# KiCad board Soldered Inkplate 4 TEMPERA with glass panel.kicad_pcb (continued)
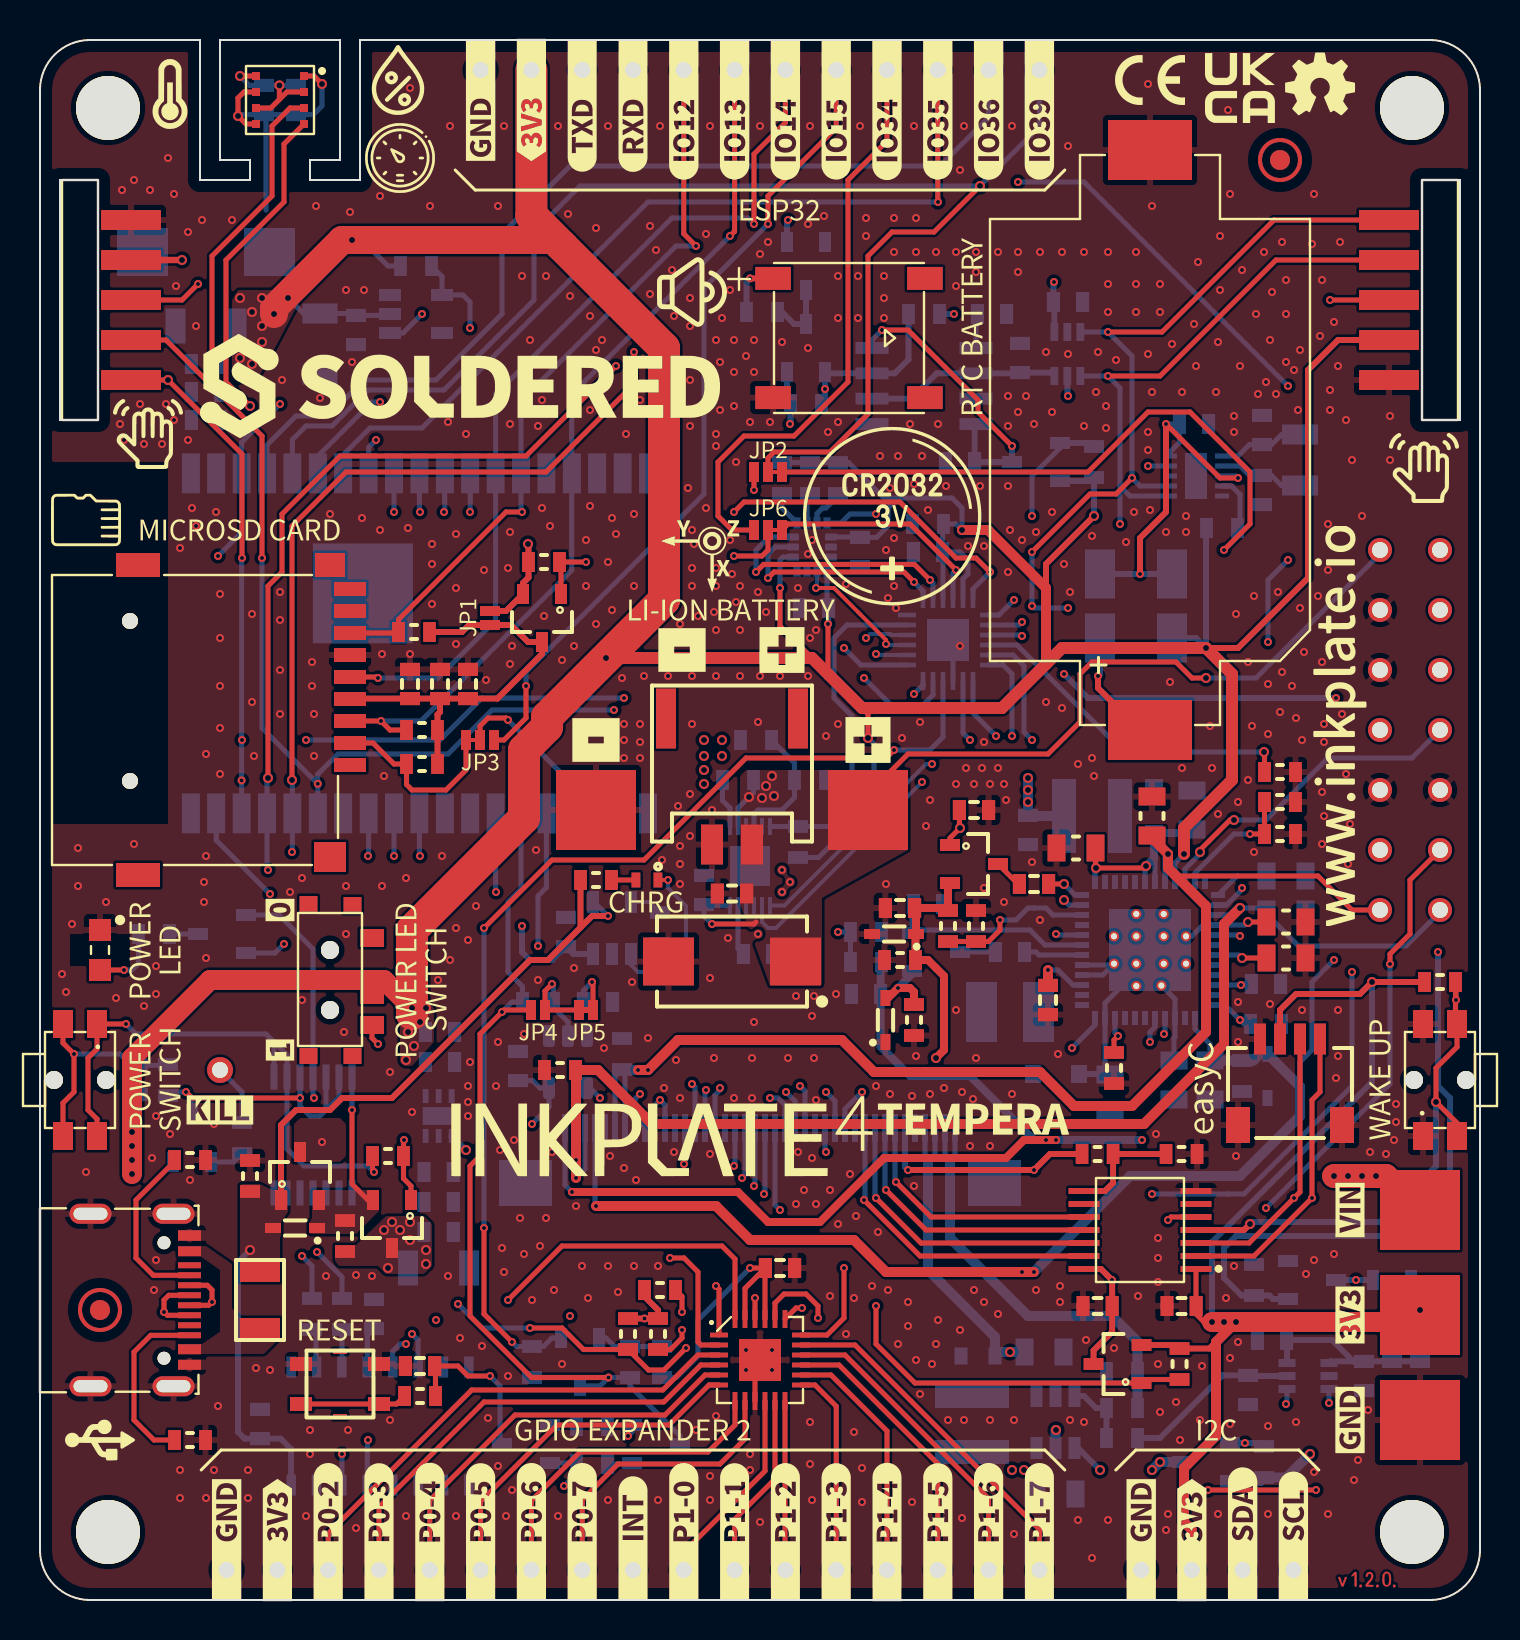
[diagram p0: board, top side]
## Routing (per net, layer and track width the routed paths; a pad name or vN(x,y) marks a point on that pad's centre or on a via; arc(x,y) is an arc through that point) (continued)
/POWER/VN: length 19
  Top w0.254: 61.32,33.9 v2(60.4,33.9)
  Bottom w0.254: U1.28 53.13,31.25 U1.49 53.63,31.75 U1.29 ; 53.47,26.3 53.5,26.28 53.25,26.53 U1.23 53.25,29.85 54.1,30.7 U1.49 ; U1.49 57.59,33.19 58.15,33.75 U1.4 60.25,33.75 v2(60.4,33.9) ; C8.2 56.7,28.1 56.75,28.15 U1.16 56.75,30.04 U1.49
  Bottom w0.3: D1.2 53.47,26.3
/POWER/VREF: length 2.8
  Bottom w0.254: U1.1 59.85,36.2 61.32,36.2
/SD & RTC/X1: length 4.3
  Bottom w0.254: X1.1 62.09,58.28 61.58,57.77 C36.2 60.47,57.77 59.9,57.2 U8.1
/SD & RTC/X2: length 4.3
  Bottom w0.254: U8.2 60,56.7 60.47,56.23 C37.2 61.57,56.23 62.07,55.72 X1.2
BACKLIGHT_EN: length 68.7
  In1.Cu w0.3: v1(64.8,45.1) 67.8,45.1 68.5,44.4 68.5,33.8 v1(69.9,32.4)
  In2.Cu w0.3: v1(51.2,46.3) 44.7,46.3 v1(43.7,45.3)
  Bottom w0.254: v1(43.7,45.3) 44.15,45.75 U13.12
  Bottom w0.3: v1(64.8,45.1) 52.4,45.1 v1(51.2,46.3) ; Q10.1 61.65,15.05 61.47,15.22 R51.2 60.07,15.22 59.2,16.1 59.2,17.6 59.8,18.2 67.3,18.2 70.5,21.4 70.5,25.1 69.9,25.7 v1(69.9,32.4)
BCK_ANODE: length 22.7
  In1.Cu w0.5: v2(50.8,8.5) 48.5,10.8 v2(48.5,12.4)
  Bottom w0.254: K12.4 44.25,22.05 44.4,21.9 44.75,22.25 K12.3
  Bottom w0.5: v2(50.8,8.5) 50.78,8.47 U12.5 ; v2(48.5,12.4) C50.2 47.95,12.4 D13.2 47.75,13.15 44.4,16.5 44.4,21.9
BCK_CATHODE: length 22.3
  Bottom w0.254: K12.2 45.25,22.15 45.5,21.9 45.75,22.15 K12.1
  Bottom w0.5: R49.1 R48.2 54.88,12.92 53.6,14.2 49.4,14.2 45.5,18.1 45.5,21.9
BCK_MOS: length 14.1
  In1.Cu w0.3: v1(65.8,16) 60.25,10.45 v1(60.25,7.85)
  Bottom w0.3: Q10.3 v1(65.8,16) Q9.1 ; Q12.1 61.03,7.85 R53.1
BUZZER_EN: length 20.5
  In1.Cu w0.254: v1(41.8,47.3) 41.8,51.2 44.8,54.2 v1(49.6,54.2)
  Bottom w0.2: U13.14 41.85,47.25
  Bottom w0.254: v1(49.6,54.2) 49.6,56.2 51,57.6 Q13.1 ; v1(41.8,47.3) 41.85,47.25
  Bottom w0.3: Q13.1 52.53,57.85 R60.2
CLKOUT_RTC: length 22.2
  Top w0.254: v1(35.7,55.5) JP2.1
  In1.Cu w0.254: v1(55.4,56.7) 36.9,56.7 v1(35.7,55.5)
  Bottom w0.254: U8.9 v1(55.4,56.7)
D+: length 17.8
  Top w0.254: K2.B6 6.36,14.24 v1(6.2,14.4) 6.2,15 6.44,15.24 K2.A6
  In1.Cu w0.254: v1(6.2,14.4) 7.9,14.4 9.67,12.64 18.13,12.64 v1(18.3,12.8)
  Bottom w0.254: v1(18.3,12.8) 18,12.8 17.64,12.44 U6.5
D-: length 15.5
  Top w0.254: K2.B7 8.36,15.74 8.6,15.5 v1(8.6,14.9) 8.44,14.74 K2.A7
  In1.Cu w0.254: v1(8.6,14.9) 10.2,13.3 v1(18.6,13.3)
  Bottom w0.254: v1(18.6,13.3) 18.91,13 U6.6
EPD_CKV: length 48
  In1.Cu w0.254: v1(16.8,58) 20.7,58 22.8,55.9 22.8,43.8 39.3,27.3 v1(39.3,25.4)
  Bottom w0.254: v1(39.3,25.4) 39.75,24.95 K12.13 ; U14.8 16.43,57.63 v1(16.8,58)
EPD_CL: length 8.4
  In1.Cu w0.254: v1(32.2,21.8) 31.04,21.8 28,24.84 v1(28,25.1)
  Bottom w0.254: v1(32.2,21.8) 32.25,21.85 K12.28 ; U11.4 27.5,25.6 v1(28,25.1)
EPD_D0: length 25.8
  In1.Cu w0.254: v1(22.8,35.4) 22.8,31.4 30,24.2 30.9,24.2 33.4,21.7 v1(34.7,21.7)
  Bottom w0.254: K12.23 34.75,21.75 v1(34.7,21.7) ; U14.26 22.78,35.42 v1(22.8,35.4)
EPD_D1: length 29.8
  In1.Cu w0.254: v1(19,37.2) 19,34.3 24.9,28.4 24.9,27.4 31.2,21.1 v1(35.1,21.1)
  Bottom w0.254: U14.29 18.97,37.23 v1(19,37.2) ; v1(35.1,21.1) 35.25,21.25 K12.22
EPD_D2: length 32
  In1.Cu w0.254: v1(35.7,20.7) 35.4,20.4 31.3,20.4 17.7,34 v1(17.7,37.2)
  Bottom w0.254: v1(35.7,20.7) 35.75,20.75 K12.21 ; U14.30 v1(17.7,37.2)
EPD_D3: length 35
  In1.Cu w0.254: v1(36.2,20.3) 35.6,19.7 30,19.7 16.4,33.3 v1(16.4,37.2)
  Bottom w0.254: U14.31 16.43,37.23 v1(16.4,37.2) ; K12.20 36.25,20.35 v1(36.2,20.3)
EPD_D4: length 44.9
  In1.Cu w0.254: v1(37,19.5) 36,18.5 23.7,18.5 11.5,30.7 v1(11.5,35.3)
  Bottom w0.254: v1(37,19.5) 36.75,19.75 K12.19 ; U14.37 8.81,37.99 v1(11.5,35.3)
EPD_D5: length 40.5
  In1.Cu w0.254: v1(19,54.4) 19,42.6 v1(36.5,25.1)
  Bottom w0.254: U14.10 18.97,54.43 v1(19,54.4) ; v1(36.5,25.1) 36.9,25.1 37.25,24.75 K12.18
EPD_D6: length 40
  In1.Cu w0.254: v1(20.2,54.4) 20.2,43.5 37.3,26.4 v1(37.3,25.4)
  Bottom w0.254: v1(37.3,25.4) 37.75,24.95 K12.17 ; v1(20.2,54.4) 20.24,54.44 U14.11
EPD_D7: length 39.7
  In1.Cu w0.254: v1(38,25.7) 38,27.3 21.5,43.8 v1(21.5,54.4)
  Bottom w0.254: K12.16 38.25,25.45 v1(38,25.7) ; v1(21.5,54.4) 21.51,54.41 U14.12
EPD_GMODE: length 34.1
  In1.Cu w0.254: v1(39.3,22.4) 40.5,23.6 40.5,41.4 48,48.9 v1(49.1,48.9)
  Bottom w0.254: U13.2 48.95,48.75 v1(49.1,48.9) ; v1(39.3,22.4) 39.25,22.45 K12.14
EPD_LE: length 19.6
  In1.Cu w0.254: v1(24.9,32.7) 31.8,25.8 v1(32.6,25.8)
  Bottom w0.254: U14.24 25.32,35.62 24.9,35.2 v1(24.9,32.7) ; v1(32.6,25.8) 32.75,25.65 K12.27
EPD_OE: length 41.2
  In1.Cu w0.254: v1(33.3,25.5) 33.3,24.9 33.9,24.3 39.1,24.3 39.9,25.1 39.9,27.9 39.3,28.5 39.3,42.1 47.2,50 v1(48.7,50)
  Bottom w0.254: U13.1 47.95,49.25 v1(48.7,50) ; v1(33.3,25.5) 33.25,25.45 K12.26
EPD_SPH: length 39.6
  In1.Cu w0.254: v1(34,25.6) 17.7,41.9 v1(17.7,54.4)
  Bottom w0.254: U14.9 v1(17.7,54.4) ; v1(34,25.6) 34,25.5 33.75,25.25 K12.25
EPD_SPV: length 29.9
  In1.Cu w0.254: v1(41.1,25.4) 41.1,40.2 v1(49.1,48.2)
  Bottom w0.254: v1(49.1,48.2) 49.05,48.25 U13.3 ; v1(41.1,25.4) 40.25,24.55 K12.12
GPIO15: length 40.9
  Top w0.254: v1(36.4,68.8) 36.4,70.2 39.81,73.61 K32.1 ; v1(24.3,45.7) 24.3,44.1 23.2,43 JP3.3
  Bottom w0.254: v1(36.4,68.8) 33.2,65.6 33.2,55.3 24.3,46.4 v1(24.3,45.7)
GPIO_0: length 43.8
  Top w0.254: JP4.1 23.2,29.5 22,28.3 22,22.2 21.5,21.7 21.5,14.2 24.57,11.12 v1(28.43,11.12)
  Bottom w0.254: Q3.3 32,8.2 29.5,10.7 R22.1 v1(28.43,11.12) 28,10.7 Q1.3 ; v1(23.1,29.4) 23.6,29.9 R45.1 24.12,30.67 23.4,31.4 23.4,34.9 24.05,35.55 U14.25
GPIO_0_MOSFET: length 53.7
  Top w0.254: v1(42.7,42.5) 42.3,42.1 35.3,42.1 30.2,37 25.6,37 v1(22.2,33.6) ; v1(23.6,12.9) 22.2,14.3 v1(22.2,18.6)
  Bottom w0.254: Q1.1 25.6,13.1 25.18,12.67 R20.2 23.82,12.67 v1(23.6,12.9) ; v1(22.2,33.6) v1(22.2,18.6) ; v1(42.7,42.5) 44.5,42.5 45.15,43.15 U13.10
GPIO_36: length 137
  Top w0.254: v1(70.8,30) 70.8,30.88 R41.1 70.78,28.88 SW3.2 70.85,27.65 69.8,26.6 v2(69.8,24.9) 70.85,23.85 SW3.2
  Top w0.3: v2(60.5,18.8) 60.2,18.5 U10.4
  In1.Cu w0.254: v1(70.8,30) 65.7,30 63.6,32.1 63.6,45.7 v1(61.4,47.9) ; v1(48.9,70.9) 47.43,72.37 K25.1 ; v1(62.4,60.7) v1(62.4,52)
  Bottom w0.254: v1(48.9,70.9) 52.2,70.9 v1(62.4,60.7) ; v1(61.4,47.9) 61.4,51 v1(62.4,52) ; K25.1 47.43,74.13 45,71.7 26.5,71.7 23.1,68.3 23.1,64.3 19.8,61 16.2,61 14.4,59.2 12.8,59.2 11.35,57.75 U14.4
  Bottom w0.3: v2(69.8,24.9) 69.8,21.7 67,18.9 60.6,18.9 v2(60.5,18.8)
GPIO_39: length 71.9
  Top w0.254: JP2.2 36.4,57.1 36.7,57.4 39.5,57.4 41.4,59.3 41.4,67.2 42.6,68.4 44.7,68.4 v2(47,70.7)
  Bottom w0.254: U14.5 12.62,58.02 13.3,58.7 14.6,58.7 16.4,60.5 20.2,60.5 24.7,65 24.7,68.4 27,70.7 v2(47,70.7) 49.97,73.67 K24.1
GPOUT_FG: length 17.2
  Bottom w0.254: U5.12 R26.2 39.47,38.67 40.6,39.8 40.6,44.2 39.7,45.1 39.7,48.1 40.35,48.75 U13.17
I2C_SCL: length 323.3
  Top w0.254: U15.19 37.8,14.6 v1(38.1,14.6) ; v1(36.4,51.1) 36.7,51.4 43.2,51.4 v1(43.7,50.9) ; v1(54.6,56.1) 53.8,55.3 52.5,55.3 v1(49.6,52.4) ; K42.1 v2(6.4,61) 10.1,57.3 v1(10.1,52.1) ; v1(32.1,13.5) 32.1,13.1 31.53,12.53 R1.1 ; v1(53.4,63.4) 56.1,63.4 61.7,69 K43.1 ; v2(10.5,59.7) 9.3,60.9 9.3,67 12.2,69.9 12.2,72.8 U19.4 ; U10.2 60.7,17.2 v1(63.6,20.1) 63.6,25 64,25.4 K4.1 ; v1(58.4,5.5) v1(63.8,5.5)
  In1.Cu w0.254: v1(49.6,49.7) 49.9,49.4 49.9,48 44.1,42.2 v1(44.1,40.9) ; v1(58.4,5.5) 45,5.5 42.1,8.4 42.1,13.2 40.7,14.6 v1(38.1,14.6) 37.98,14.48 33.08,14.48 v1(32.1,13.5) ; v1(26.5,14.2) 20.6,14.2 19.6,15.2 13.67,15.2 10.4,18.47 10.4,27.5 8.9,29 8.9,37.4 10.08,38.58 v1(10.08,40.98) ; v1(13.3,43) v1(10.1,43) ; v2(6.4,61) 9.2,61 v2(10.5,59.7) ; v1(51.4,49.6) 55.7,49.6 57,50.9 68.6,50.9 K1.6 ; v1(49.6,52.4) 49.3,52.1 44.4,52.1 43.7,51.4 v1(43.7,50.9) 43.7,47.9 40.9,45.1 v1(29.2,45.1) ; v1(56.2,28.3) 56.2,27.5 67.3,16.4 67.3,12.7 v1(64.45,9.85) 64.45,6.15 62.67,4.37 K6.1
  In2.Cu w0.254: v1(26.5,14.2) 27.2,13.5 v1(32.1,13.5)
  Bottom w0.2: 36.1,34.72 36.1,33.9 36.4,33.6 36.8,33.6 v1(44.1,40.9)
  Bottom w0.254: U8.7 55,55.7 v1(54.6,56.1) 54.6,62.2 v1(53.4,63.4) U16.3 ; U1.17 56.25,28.35 v1(56.2,28.3) ; U17.13 36.75,52.65 36.4,52.3 v1(36.4,51.1) ; v1(51.4,49.6) 49.7,49.6 v1(49.6,49.7) v1(49.6,52.4) ; U9.3 v1(64.45,9.85) ; v1(13.3,43) 20,43 22.1,45.1 v1(29.2,45.1) ; U14.36 v1(10.08,40.98) 10.08,52.08 v1(10.1,52.1) ; v1(43.7,50.9) 44.15,50.45 U13.19
I2C_SCL_B: length 15.8
  Top w0.254: v1(41.2,20) 44,17.2 U10.13
  Bottom w0.254: K12.10 41.25,20.05 v1(41.2,20)
I2C_SDA: length 316.9
  Top w0.254: U15.20 36.75,14.85 37.2,15.3 38.3,15.3 38.9,14.7 v1(38.9,14.1) ; v1(32.3,12.6) 31.2,11.5 30.43,11.5 R2.1 27.18,12.53 26.1,13.6 v1(24.5,13.6) ; v1(53.4,61.2) 56,61.2 61.8,67 K43.2 ; K42.2 6.3,63 11.1,58.2 v1(11.1,52.1) ; 8.6,60.7 8.6,67.2 11.6,70.2 11.6,73.7 12.5,74.6 U19.3 ; K4.2 63,20.4 v1(62.7,20.1) 60.45,17.85 U10.3 ; v1(35.8,51.4) 36.18,51.78 43.72,51.78 v1(44.5,51)
  In1.Cu w0.254: 51.05,50.85 v1(54,53.8) ; 51.05,50.85 50.5,50.3 50.5,47.8 ; 51.05,50.85 51,50.8 44.7,50.8 v1(44.5,51) ; 60.7,4.9 44.9,4.9 41.6,8.2 41.6,12.8 40.3,14.1 33.8,14.1 v1(32.3,12.6) ; 60.7,4.9 62.3,6.5 v1(62.3,9.8) 66.5,14 66.5,16.3 55.5,27.3 v1(55.5,27.9) ; 60.7,4.9 60.13,4.33 K7.1 ; v1(20.9,14.8) 20,15.7 13.88,15.7 11.2,18.38 11.2,27.8 9.6,29.4 9.6,36.6 13.81,40.81 v1(13.89,40.81) ; 50.5,47.8 51.4,48.7 63.3,48.7 64,48 68.5,48 K1.5 ; 50.5,47.8 44.6,41.9 v1(44.6,41.8) ; 47,50.8 47,50.5 41,44.5 v1(28.7,44.5)
  Bottom w0.2: 36.5,34.72 37.22,34.72 44.3,41.8 v1(44.6,41.8)
  Bottom w0.254: U9.4 62.35,9.85 v1(62.3,9.8) ; v1(24.5,13.6) 22.1,13.6 v1(20.9,14.8) ; v1(13.89,40.81) 13.89,41.29 14.9,42.3 20.4,42.3 22.6,44.5 v1(28.7,44.5) ; v1(13.89,40.81) U14.33 ; v1(13.89,40.81) 11.1,43.6 v1(11.1,52.1) ; 54,55.7 54.5,55.2 U8.6 ; 54,55.7 v1(54,53.8) ; 54,55.7 54,60.6 v1(53.4,61.2) U16.4 ; v1(35.8,51.4) 35.8,52.5 36.45,53.15 U17.14 ; U1.18 55.75,28.65 55.5,28.4 v1(55.5,27.9) ; v1(44.5,51) 44.65,50.85 U13.20
I2C_SDA_B: length 14.9
  Top w0.254: v1(41.8,20.1) 44.05,17.85 U10.12
  Bottom w0.254: v1(41.8,20.1) 41.75,20.15 K12.9
INT: length 21.9
  In1.Cu w0.254: v1(47.8,43.2) 48.6,44 53.4,44 60.1,37.3 v1(60.1,35.6)
  Bottom w0.254: v1(47.8,43.2) 46.65,44.35 U13.7 ; U1.2 59.33,34.75 60.1,35.52 v1(60.1,35.6)
INT1_LSM: length 11.2
  In1.Cu w0.254: v1(41.8,54.3) 41.8,51.9 41.3,51.4 v1(41.3,48.1)
  Bottom w0.2: U13.16 42.55,48.25 42.5,48.3 41.5,48.3 v1(41.3,48.1)
  Bottom w0.254: v1(41.8,54.3) 40.5,54.3 40.05,53.85 U17.4
INT2_LSM: length 6.7
  Top w0.2: v1(42.3,47.8) 42.3,48 39.7,50.6 v1(38.8,50.6)
  Bottom w0.2: U17.9 38.85,50.65 v1(38.8,50.6) ; v1(42.3,47.8) 42.35,47.75 U13.15
INT_APDS: length 86.7
  Top w0.254: K42.3 7.1,65 v1(7.9,65.8) ; v1(64.5,65) K43.3
  In1.Cu w0.254: v1(41.2,46.1) 40.8,46.5 40.8,54.2 40.9,54.3 ; 40.9,54.3 40.4,53.8 36.6,53.8 34,56.4 32,56.4 22,66.4 15.1,66.4 14.5,65.8 v1(7.9,65.8) ; 40.9,54.3 41.6,55 54.5,55 v1(64.5,65)
  Bottom w0.254: U13.11 44.65,45.25 44.1,44.7 42.6,44.7 v1(41.2,46.1)
MANUAL_RST: length 83.8
  Top w0.254: R32.2 19.78,11.66 C34.2 20.9,11.7 21.4,11.2 v1(22.5,11.2)
  In1.Cu w0.254: v1(21.5,63.6) 19.2,63.6 6.53,50.93 6.53,26.07 6.7,25.9 6.7,25 8.6,23.1 8.6,17.2 11.8,14 18.7,14 21.5,11.2 v1(22.5,11.2)
  Bottom w0.254: v1(21.5,63.6) 21.5,64.9 21.15,65.25 U4.4 20.1,66.17 19.57,66.7 ; v1(22.5,11.2) 23,10.7 23,7.9 Q2.3
OUT: length 18.8
  In1.Cu w0.3: v1(37.4,69) 39.25,67.15 v1(39.25,60.55)
  Bottom w0.3: R61.1 39.25,59.97 Q14.1 39.31,61.33 U18.3 42.74,61.33 43.43,62.03 R59.2 ; v1(37.4,69) 37.35,68.95 Q15.1
POT_A: length 9.7
  Bottom w0.3: U16.6 50.55,61.37 C62.2 48.97,61.33 U18.6 44.84,61.33 43.56,60.06 U18.2
POT_W: length 9.1
  In1.Cu w0.3: v1(51.4,60.2) 50.1,60.2 46,64.3 v1(45.7,64.3)
  Bottom w0.3: R59.1 v1(45.7,64.3) ; v1(51.4,60.2) 51.37,60.23 U16.5
PWR_GOOD: length 23.7
  In1.Cu w0.254: v1(51.6,27.6) 45.2,34 45.2,41.7 v1(46.5,43)
  Bottom w0.254: U13.8 46.15,43.35 v1(46.5,43) ; v1(51.6,27.6) 52.75,28.75 U1.24
PWRUP: length 24.3
  Top w0.254: R5.1 53.7,28 v1(53.9,28.2)
  In1.Cu w0.254: v1(53.9,28.2) 52,30.1 52,40.6 v1(49.6,43)
  Bottom w0.254: v1(53.9,28.2) 53.75,28.35 U1.22 ; v1(49.6,43) 49.2,43.4 49.2,46.7 48.65,47.25 U13.5
RST: length 123.6
  Top w0.254: v1(23.4,15) 26.1,17.7 34.1,17.7 34.75,17.05 U15.24 ; v1(34.7,54.4) 35.2,54.9 43,54.9 45.8,52.1 46.8,52.1 v1(47.5,51.4)
  In1.Cu w0.254: v1(12,59.8) 16.5,64.3 v1(19.1,64.3) 21.8,64.3 32,54.1 34.4,54.1 v1(34.7,54.4) ; v1(19.8,14) 19.2,14.6 12.4,14.6 9.5,17.5 9.5,24 7.5,26 7.5,50.8 v1(8.9,52.2)
  In2.Cu w0.254: v1(19.8,14) 22.4,14 v1(23.4,15)
  Bottom w0.254: U4.1 18.15,63.35 v1(19.1,64.3) ; U13.24 46.65,50.55 v1(47.5,51.4) ; v1(8.9,52.2) 10.08,53.38 U14.3 10.08,57.88 v1(12,59.8)
RXD: length 77.5
  Top w0.254: v2(12.6,41) 12.6,53.7 15.3,56.4 25.3,56.4 29.7,60.8 v1(29.7,62.4)
  In1.Cu w0.254: v1(13.1,17.2) 11.7,18.6 11.7,28.5 10.3,29.9 10.3,36.4 11.3,37.4 v1(12.6,37.4) ; v1(29.7,62.4) 29.65,62.45 K18.1
  Bottom w0.254: v2(12.6,41) 12.62,40.98 U14.34 12.62,37.42 v1(12.6,37.4) ; v1(13.1,17.2) 13.6,16.7 R35.2
SD_ENABLE: length 21.1
  Top w0.254: Q8.1 26.05,51.83 R39.2 v1(27.3,51.9)
  In1.Cu w0.254: v1(40.2,47.6) 31.6,47.6 v1(27.3,51.9)
  Bottom w0.254: U13.13 41.05,46.75 v1(40.2,47.6)
SPI_CS: length 8.3
  Top w0.254: v1(23.4,44) 23.3,44.1 22.4,44.1 22,43.7 JP3.2
  Bottom w0.254: U14.23 26.59,40.81 v1(23.4,44)
SPI_MISO: length 38.1
  Top w0.254: K20.1 32.19,68.31 v1(32.8,67.7) ; v1(24.1,54.4) 23.3,54.4 17.92,49.03 R44.1 17.88,48.35 K10.7
  Bottom w0.254: v1(24.1,54.4) 24.05,54.45 U14.14 24.05,59.95 31.8,67.7 v1(32.8,67.7)
SPI_MOSI: length 44.1
  Top w0.254: K10.3 v1(17.05,43.95) 17.5,43.5 R43.1 ; K21.1 34.73,68.43 v1(34.5,68.2)
  Bottom w0.254: v1(17.05,43.95) 19.05,43.95 26.59,51.49 U14.16 26.59,60.29 v1(34.5,68.2)
SPI_SCK: length 44.8
  Top w0.254: K10.5 16.85,46.15 v1(16.9,46.1) ; v1(35.7,68.8) 35.7,72.3 37.27,73.87 K19.1
  Bottom w0.254: v1(16.9,46.1) 19.9,46.1 22.78,48.98 U14.13 22.78,60.28 31.6,69.1 35.4,69.1 v1(35.7,68.8)
SW_IN: length 6.5
  Top w0.254: v1(15.6,24.5) 15.6,20.8 16.4,20 16.45,20
  Bottom w0.254: U7.14 v1(15.6,24.5)
SW_OUT_D: length 20.1
  Top w0.254: v1(18.2,23) 18.18,22.97 R36.2 18.18,21.08 18.55,20.7 Q6.1
  In1.Cu w0.254: v1(18.2,23) 16.1,25.1 v1(13.7,25.1)
  Bottom w0.254: v1(13.7,25.1) 13.65,25.15 U7.11 13.65,32.55 11.95,34.25 Q4.1
TOUCH_EN: length 28.9
  Top w0.254: U15.1 33.95,15.55 v1(33.8,15.7) ; v1(41.8,14.7) 41.8,12.8 43.75,10.85 Q11.1 55.25,11.03 R52.2
  In1.Cu w0.254: v1(41.8,14.7) 40.8,15.7 v1(33.8,15.7)
TOUCH_INT_B: length 13.8
  Top w0.254: v1(42.3,20.5) 44.3,18.5 U10.11
  Bottom w0.254: K12.8 42.25,20.55 v1(42.3,20.5)
TOUCH_RESET: length 33.5
  Top w0.254: U15.2 33.05,12.75 32.9,12.9 32.9,16.4 32.2,17.1 v1(31.5,17.1) ; v1(56.4,19) 56.55,19.15 U10.5
  In1.Cu w0.254: v1(31.5,17.1) 32.1,17.7 44,17.7 45.3,19 v1(56.4,19)
TOUCH_RESET_B: length 12.9
  Top w0.254: U10.10 44.55,19.15 v1(42.8,20.9)
  Bottom w0.254: v1(42.8,20.9) 42.75,20.95 K12.7
TXD: length 76.8
  Top w0.254: v1(28.8,61.7) 24.3,57.2 15,57.2 12.1,54.3 12.1,51.4 11.4,50.7 v2(11.4,41.1)
  In1.Cu w0.254: v1(13.85,17.4) 12.3,18.95 12.3,29 10.9,30.4 10.9,36 v1(11.4,36.5) ; K16.1 27.11,72.39 28.8,70.7 v1(28.8,61.7)
  Bottom w0.254: v1(11.4,36.5) 11.35,36.55 U14.35 11.35,41.05 v2(11.4,41.1) ; R34.2 15.1,16.15 v1(13.85,17.4)
VCOM: length 73.8
  Top w0.5: v1(27.8,19.7) 33.8,19.7 35.5,18 40.7,18 42.3,16.4 v1(49.7,16.4)
  In1.Cu w0.254: K1.11 65.7,43.5 64.7,42.5 v1(64.7,32)
  Bottom w0.254: v1(27.8,19.7) 27.75,19.75 K12.37 ; v1(64.7,32) 63.6,30.9 63.6,27.5 63,26.9 63,25.67 ; U1.14 57.75,28.55 58.5,27.8 C7.2
  Bottom w0.5: v1(49.1,16.4) v1(49.7,16.4) 54.5,21.2 60,21.2 63,24.2 63,25.67 D4.1 61,27.3 60.68,26.97 R9.2 C7.2
VCOM_CTRL: length 28.4
  In1.Cu w0.254: v1(60,29) 59.2,29.8 59.2,37.4 53.1,43.5 48.9,43.5 v1(48.6,43.2)
  Bottom w0.254: v1(48.6,43.2) 48.6,46.3 48.15,46.75 U13.6 ; U1.12 59.25,29.75 60.2,28.8 R4.1
VNEG: length 65.1
  Top w0.5: v2(60,34.6) 59.2,33.8 59.2,27.8 55.2,23.8 30.6,23.8 27.9,26.5 R6.1 26.8,26.47 v1(26.8,22) v1(26.8,21.1)
  Bottom w0.254: v1(26.8,22) 26.75,22.05 K12.39 ; 59.8,34.6 v2(60,34.6) ; 59.8,34.6 61.03,34.6 62.92,32.7 68.3,32.7 70,34.4 K1.1 ; 59.8,34.6 59.45,34.25 U1.3 ; v1(26.8,21.1) 27.25,21.55 K12.38
VPOS: length 62.7
  Top w0.254: K1.14 65.6,34.5 63.9,36.2 56.8,36.2 56.75,36.25
  Top w0.5: 55.5,38.2 v2(56.4,37.3) 56.4,36.6 58.3,34.7 58.3,28.4 54.6,24.7 51.7,24.7 50,26.4 41.7,26.4 40.1,28 31.9,28 v1(30.4,26.5) v1(29.9,26.5)
  Bottom w0.254: v2(56.4,37.3) 56.25,37.15 U1.44 ; K12.35 28.75,26.17 R7.1 29.25,26.38 K12.34
  Bottom w0.5: v1(30.4,26.5) 29.12,26.5 R7.1
VSYS: length 36.4
  In2.Cu w1.2: v1(14.1,22.9) 15.7,22.9 20.5,27.7 20.5,30.1 v1(24.1,33.7) 33,42.6
  Bottom w0.254: U5.7 34.5,39.6 34.12,39.97 R24.1
  Bottom w0.3: U2.3 26.67,32.3 C67.2 26.27,32.67 25.6,32 24.5,32 24.1,32.4 v1(24.1,33.7)
  vias: v2(33.2,43) v2(33.2,42.2) v2(33.2,41.5) v2(33.2,40.8) v2(34.1,43) v2(34.1,42.2)
VUSB: length 42
  Top w0.3: Q7.1 12.05,23.75 12.8,24.5 14.5,24.5 15.1,25.1 17.6,25.1 24.5,32 25.4,32 27.03,33.62 ; v1(28.4,34.2) 27.6,34.2 27.03,33.62 ; 27.03,33.62 R19.1
  Bottom w0.254: v1(28.4,34.2) 27.7,34.9 U2.4
  Bottom w0.3: U6.16 12.56,7.54 12.03,8.07 C32.2 10.23,8.07 9.9,8.4 9.9,16.9 v2(10.5,17.5)
WAKEUP: length 28.5
  Top w0.254: v2(61.2,42.4) 61.22,42.38 R3.1
  In1.Cu w0.254: v1(60,33.2) 60.7,33.2 61.6,34.1 61.6,42 v2(61.2,42.4)
  Bottom w0.254: U1.5 59.95,33.25 v1(60,33.2) ; U13.4 48.85,47.75 54.2,42.4 v2(61.2,42.4)
Net-(C16-Pad1): length 1.8
  Bottom w0.254: C16.1 D6.3
Net-(C17-Pad2): length 1.5
  Top w0.254: C17.2 48.9,35.8 D7.3
Net-(C28-Pad1): length 2.5
  Bottom w0.254: 34.9,34.72 34.9,32.57 C28.1
Net-(C33-Pad2): length 2.1
  Bottom w0.254: U6.4 16.36,13.23 C33.2
Net-(C35-Pad2): length 11
  Top w0.254: SW2.2 1.15,24.85 1.7,25.4 v1(1.7,27.3) 1.15,27.85 SW2.2
  Bottom w0.254: v1(1.7,27.3) 4,27.3 4.57,26.73 C35.2 6.36,26.73 R37.1
Net-(C43-Pad1): length 11.7
  Bottom w0.3: C45.1 64.53,11.93 U9.1 ; C45.1 C44.1 ; C45.1 65.67,11.93 64.6,13 C47.2 62.35,12.98 U9.6 ; C44.1 C43.1 ; C44.1 Q9.3
Net-(C46-Pad2): length 2.6
  Top w0.254: v1(27.6,30.9) 27.65,30.85 JP5.2
  Bottom w0.254: v1(27.6,30.9) 27.17,30.47 C46.2
Net-(C68-Pad2): length 1.7
  Bottom w0.254: C68.2 46.8,64.23 U18.5
Net-(D8-Pad1): length 1.1
  Top w0.254: 28.68,36 D8.1
Net-(D8-Pad2): length 8.7
  Top w0.2: v1(31.4,36) D8.2
  Bottom w0.2: v1(31.4,36) 31.4,35.6 32.3,34.7 32.3,31.8 31.9,31.4 29.9,31.4 29.55,31.75 U2.1
Net-(D9-Pad1): length 3.5
  Top w0.254: v1(4.2,31.5) D9.1
  Bottom w0.254: R31.2 4.92,31.83 4.6,31.5 v1(4.2,31.5)
Net-(D12-Pad1): length 6.2
  Top w0.3: v1(52.9,46.2) 52.9,45.6 55.5,43
  Bottom w0.3: v1(52.9,46.2) 53,46.3 D12.1
Net-(JP2-Pad3): length 34.5
  Top w0.254: v1(59.2,52.5) 60.5,53.8 60.5,56.4 57.5,59.4 55.4,59.4 52.4,56.4 JP2.3
  Bottom w0.254: v1(59.2,52.5) 59.88,53.17 R40.1 60,53.72 60,55.28 59.58,55.7 U8.4
Net-(JP3-Pad1): length 9.3
  Top w0.254: K10.2 16.65,42.85 17.7,41.8 R42.1 18.32,40.78 18.6,40.5 20.3,40.5 21.3,41.5 JP3.1
Net-(JP4-Pad2): length 6.1
  Top w0.254: v1(25.6,30.8) 25.25,30.45 JP4.2 JP5.1
  Bottom w0.254: U11.2 26.4,28.9 25.68,29.62 R45.2 25.68,30.72 v1(25.6,30.8)
Net-(JP6-Pad3): length 29.4
  Top w0.254: JP6.3 34.6,53.5 33.9,54.2 33.9,56.9 35.2,58.2 37.7,58.2 40.4,60.9 40.4,71 42.35,72.95 K17.1
Net-(K2-PadA5): length 8.7
  Top w0.254: R18.1 6.72,21.92 4.8,20 4.8,17.1 5.66,16.24 K2.A5
Net-(K2-PadB5): length 9
  Top w0.254: K2.B5 5.54,13.24 4.7,12.4 4.7,9 5.7,8 R17.1
Net-(K9-Pad1): length 3.1
  Bottom w0.254: K9.1 10.1,25.4 R33.2
Net-(K15-Pad1): length 42.5
  Top w0.254: K15.1 44.89,69.91 v1(44.9,69.9)
  Bottom w0.254: v1(44.9,69.9) 30.4,69.9 19.1,58.6 16.5,58.6 15.16,57.26 U14.7
Net-(K26-Pad1): length 25.1
  Top w0.254: U15.3 32.89,12.25 31.14,10.5 21.58,10.5 14.41,3.33 K26.1
Net-(K27-Pad1): length 23.1
  Top w0.254: U15.4 33.04,11.75 31.19,9.9 22.2,9.9 16.95,4.65 K27.1
Net-(K28-Pad1): length 20.5
  Top w0.254: U15.5 33.25,11.25 31.25,9.25 23.75,9.25 19.49,4.99 K28.1
Net-(K29-Pad1): length 17.8
  Top w0.254: K29.1 22.03,4.93 25.85,8.75 31.45,8.75 33.45,10.75 U15.6
Net-(K30-Pad1): length 16.4
  Top w0.254: U15.7 34.75,8.75 33.4,7.4 27,7.4 24.57,4.97 K30.1
Net-(K31-Pad1): length 14.8
  Top w0.254: U15.8 35.25,8.05 34,6.8 28.9,6.8 27.11,5.01 K31.1
Net-(K33-Pad1): length 10.1
  Top w0.254: K33.1 32.19,2.39 36.25,6.45 U15.10
Net-(K34-Pad1): length 9.3
  Top w0.254: U15.11 36.75,6.05 34.73,4.03 K34.1
Net-(K35-Pad1): length 8.5
  Top w0.254: K35.1 37.25,1.52 U15.12
Net-(K36-Pad1): length 10.4
  Top w0.254: U15.13 38.75,10.75 39.81,9.69 K36.1
Net-(K37-Pad1): length 12.4
  Top w0.254: U15.14 39.55,11.25 42.35,8.45 K37.1
Net-(K38-Pad1): length 14.2
  Top w0.254: U15.15 39.95,11.75 44.89,6.81 K38.1
Net-(K39-Pad1): length 15.9
  Top w0.254: U15.16 40.25,12.25 47.43,5.07 K39.1
Net-(K40-Pad1): length 17.8
  Top w0.254: K40.1 49.97,3.53 40.75,12.75 U15.17
Net-(K41-Pad1): length 20.1
  Top w0.254: v1(32.1,14.4) 32.1,15.17 R55.2 ; U15.22 v1(35.75,15.1)
  In1.Cu w0.254: v1(35.75,15.1) 32.8,15.1 v1(32.1,14.4) 30.7,13 30.7,8.3 29.65,7.25 K41.1
Net-(Q1-Pad2): length 3.3
  Bottom w0.254: Q1.2 28.3,13.1 28.72,12.67 R22.2 R21.1
Net-(Q2-Pad1): length 1.3
  Bottom w0.254: R29.1 26.78,8.75 Q2.1
Net-(Q3-Pad1): length 1.2
  Bottom w0.254: R30.1 29.55,6.8 Q3.1
Net-(Q4-Pad2): length 10.9
  Top w0.254: S1.3 16.6,28.1 v1(16.9,27.8)
  In1.Cu w0.254: v1(16.9,27.8) 16.9,29.4 15.2,31.1 13.9,31.1 v1(12.2,32.8)
  Bottom w0.254: v1(12.2,32.8) 11.75,32.35 Q4.2
Net-(Q4-Pad3): length 1.4
  Bottom w0.254: R31.1 Q4.3
Net-(Q5-Pad1): length 1.7
  Bottom w0.254: R33.1 9.67,21.9 Q5.1
Net-(Q5-Pad3): length 14.7
  Top w0.254: v1(7.3,25.4) 7.6,25.1 v1(13,25.1)
  Bottom w0.254: U7.13 14.95,25.15 14.3,24.5 ; U7.12 14.3,24.5 ; 14.3,24.5 14,24.2 13.5,24.2 13,24.7 v1(13,25.1) U7.10 ; Q5.3 7.6,25.1 v1(7.3,25.4) 6.58,25.4 R37.2
Net-(Q14-Pad3): length 3.4
  Bottom w0.3: Q15.3 Q14.3 37.7,63.8 37.1,64.4 R62.1
Net-(R23-Pad1): length 1.7
  Bottom w0.2: R23.1 30.47,34.9 U2.5
Net-(R32-Pad1): length 5.4
  Top w0.254: R32.1 17.83,9.8 12.95,9.8
Net-(R36-Pad1): length 28.2
  Top w0.254: SW2.1 2.85,24.05 2.4,24.5 2.4,27.1 2.85,27.55 SW2.1 v1(4.3,28.8) ; v1(16.7,21.4) 16.62,21.47 R36.1
  Bottom w0.254: 11.7,27.9 U7.8 ; 11.7,27.9 11.3,28.3 4.8,28.3 v1(4.3,28.8) ; 11.7,27.9 12.35,27.25 U7.9 12.35,22.55 13.2,21.7 16.4,21.7 v1(16.7,21.4)
Net-(R46-Pad1): length 5.7
  Top w0.3: R47.1 R46.1 53.65,20.85 53.25,20.45 U10.8
Net-(R49-Pad2): length 3.3
  Bottom w0.3: R50.1 R49.2 52.8,9.6 52.2,10.2 U12.3
Net-(R56-Pad2): length 1.8
  Bottom w0.254: R56.2 37.1,54.6 U17.1
Net-(R57-Pad2): length 1.5
  Bottom w0.254: R57.2 38.35,55.17 U17.2
Net-(R58-Pad2): length 2
  Bottom w0.254: U17.3 38.85,54.32 39.13,54.6 39.3,54.6 39.9,55.2 R58.2
Net-(R62-Pad2): length 2.9
  Top w0.3: U20.1 v1(35.5,66.08)
  Bottom w0.3: R62.2 35.32,65.91 v1(35.5,66.08)

## Copper pours and planes (outline as drawn; the poured copper is in the pictures)
3V3 on Top: 12.8,65.5 12.8,64.6 11.8,62.7 10.8,60.9 9.9,60.9 9.6,61.2 9.6,65 9.9,65.5
3V3 on Top: 19.7,27.9 18.6,26.7 18.2,26.7 18,26.9 18,29.6 18.3,29.9 19.4,29.9 19.7,29.6
3V3 on Bottom: 19.7,29.6 19.7,26.4 19.5,25.7 19.5,24.9 19.1,24.9 19.1,25.7 18,26.9 18,29.6 18.3,29.9 19.4,29.9
3V3 on Bottom: 12.8,64.6 9.5,58.5 9.3,57.9 9.3,55.3 8.4,55.3 8.4,57.9 8.6,58.4 8.6,64.5 10.2,68.6 12.8,68.6
GND on Top, Bottom, In1.Cu, In2.Cu: 72,0 0,0 0,78 72,78
VBAT on Top: 43.4,37.5 39.1,35.1 39.1,30.7 36.5,30.7 35,34.8 35,41.2 35.3,41.5 43.4,41.5
VBAT on Bottom: 37,41.2 37,40 36.1,39.7 35.4,39.7 35.2,39.9 35.2,41.4 35.3,41.5 36.7,41.5
VIN on Top, In2.Cu: 19.6,18.8 19.6,16.7 19.2,16.3 17.3,16.3 16.9,16.7 14.95,16.7 14.75,16.95 14.75,17.75 15.8,17.75 17.3,19.2 19.2,19.2
VIN on Bottom: 19.5,22.8 19.6,22.5 19.6,16.7 18.9,15.7 17.9,15.7 16.9,16.7 16.9,20.8 18.8,21.9 19.1,22.8 19.1,23.5 19.5,23.5
VIN_BCK on Bottom: 50.2,8.2 50.2,7 50.3,6.3 50.3,4.6 49.4,4.6 44.7,6.8 44.7,8.2
/POWER/VB_SW on Bottom: 56.2,41.1 56.2,40.2 55.3,40.2 54.7,39.3 54.7,37.3 54.4,36.3 54.4,35.6 54.1,35.6 54.1,36.3 53.4,37.3 53.4,41.1
/POWER/VN_SW on Bottom: 51.7,29.9 52.4,29.9 52.4,29.6 51.7,29.6 50.7,29.1 50.7,27.9 50.1,26.8 50.1,25.8 49.2,25.8 49.2,26.8 49.1,27.9 49.1,30.9 50.7,30.9
SW_IN on Top: 16.95,19.45 15.8,18.3 13.45,18.3 13.45,18.85 13.6,19.1 13.6,20.5 16.95,20.5
VSYS on Top: 15.3,23.8 15.3,22.2 15,21.9 12.7,21.9 12.7,23.8 13,24.1 15,24.1
VSYS on Bottom: 35.4,42.5 34.5,41.6 34.5,40.5 33.1,40.5 32.7,40.9 32.7,43.1 33.1,43.5 35.4,43.5
VSYS on In2.Cu: 34.8,43.3 34.8,41.9 33.4,40.5 33.1,40.5 32.7,40.9 32.7,43.1 33.1,43.5 34.6,43.5
VUSB on Top: 11.6,20.5 12.4,20.5 12.4,19.4 12.05,18.9 12.05,18.25 12,18.1 12,15.9 10,15.9 10,20.8 11,20.8
Net-(D13-Pad1) on Bottom: 46.4,12 47,10.8 50.2,10.8 50.2,9.6 44.7,9.6 44.7,10.8 45.7,11.9 45.7,12.6 46.4,12.6
Net-(F1-Pad2) on Top: 12,13.1 11.2,12.3 6.9,12.3 6.9,12.8 8.1,12.8 10,14.1 12,14.1
Net-(F1-Pad2) on Top: 9.6,16.8 9.6,14.6 10,14.1 12,14.1 12,13.1 9,13.1 9,16.5 8,17.2 6.9,17.2 6.9,17.7 8.3,17.7

## Text on the board
CUT-OUT: CUT-OUT
